# Altium PCB Wireless_thermometer_one_PCB.PcbDoc
Units mm, origin at the board's own origin, x right, y up, seen from the top; angles counter-clockwise.
Board outline 50 x 50 mm, 4 copper layers (Top Layer, Inner Layer 1 - GND, Inner Layer 2 - VDD, Bottom Layer), stack 1.554 mm thick; 74 components, 81 nets, 398 pads, 207 vias.
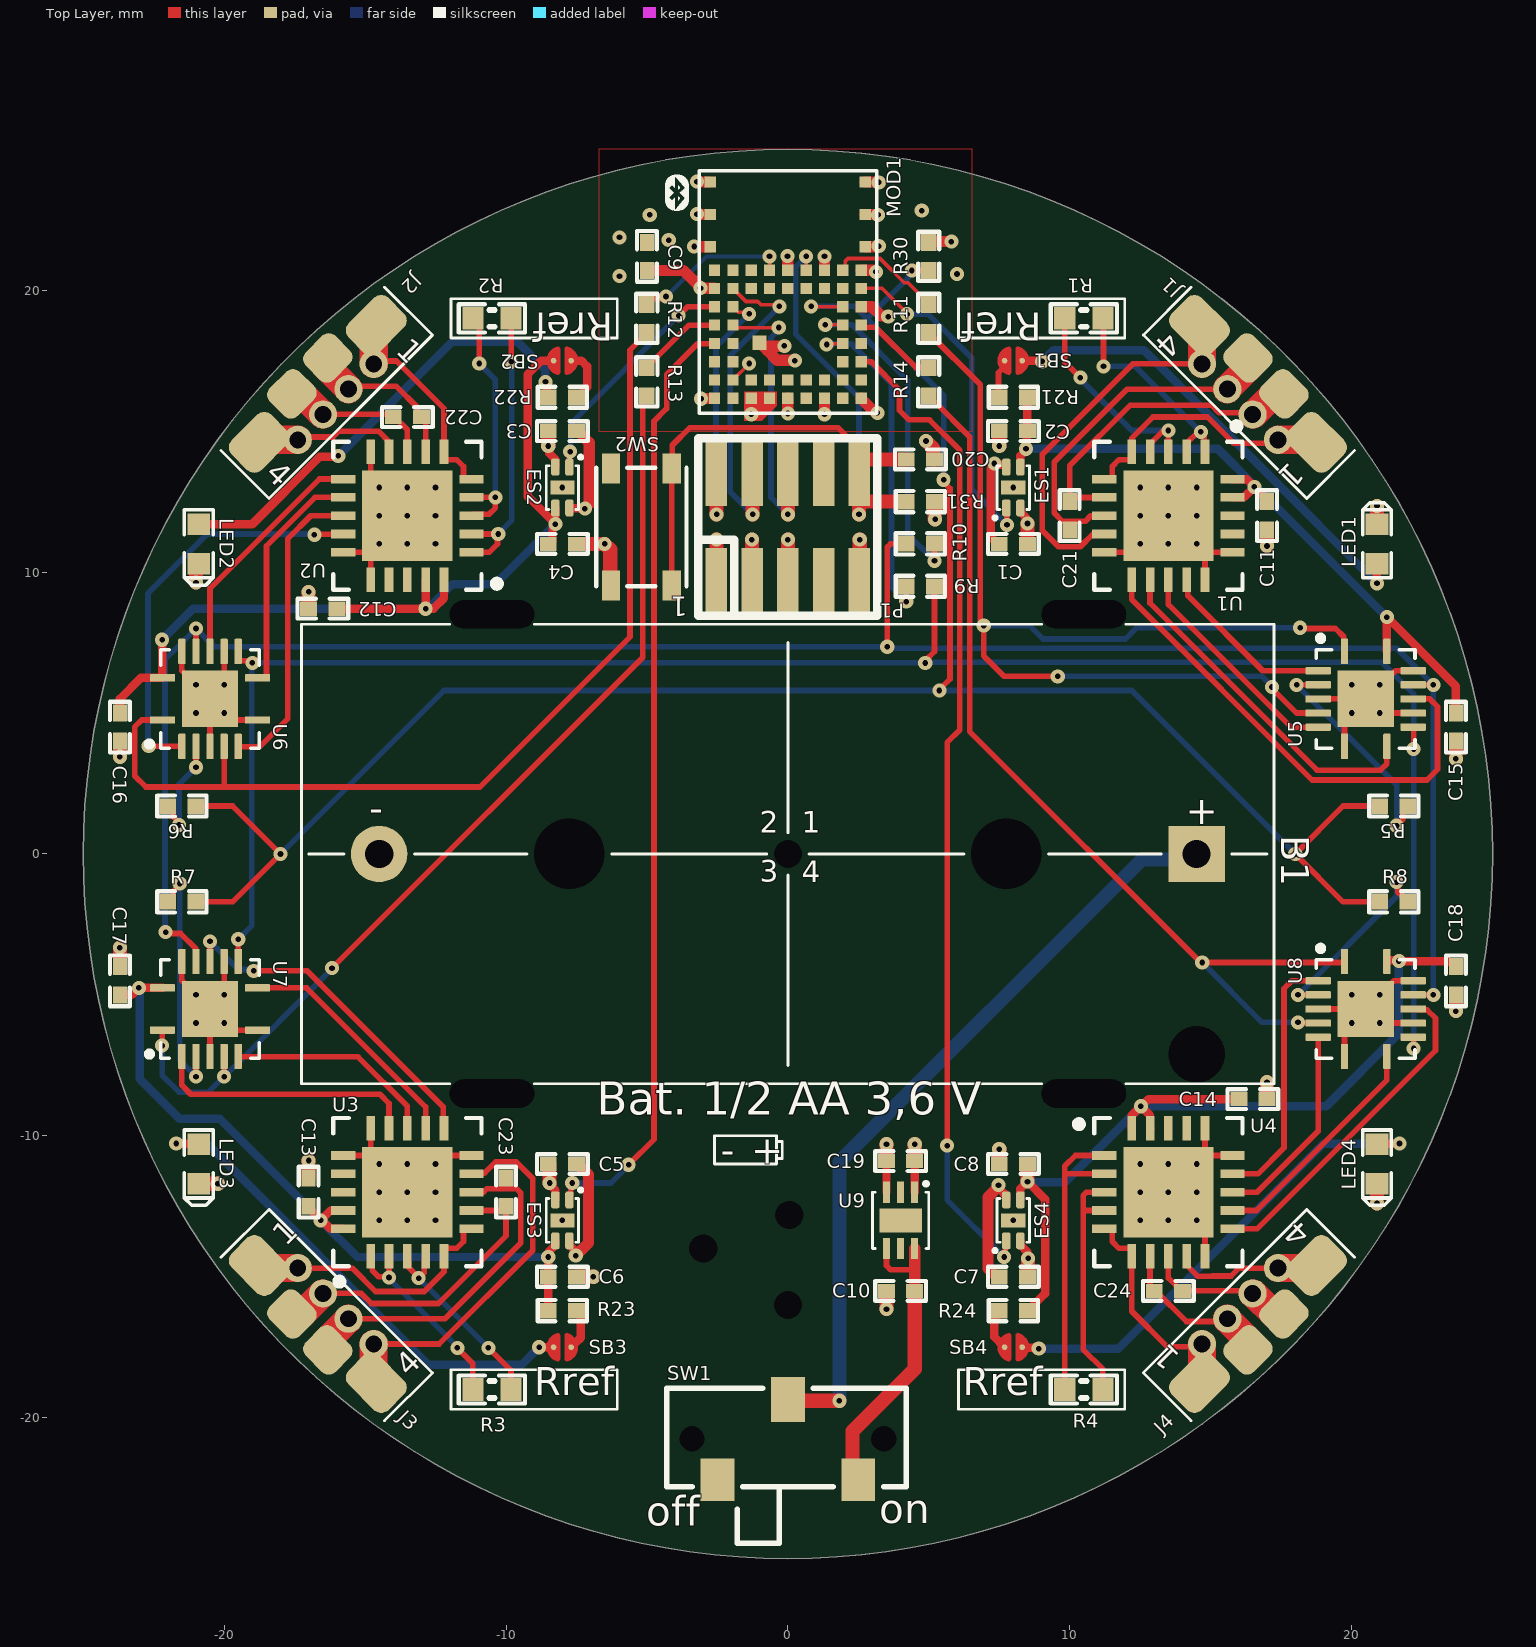
[diagram p0: Top Layer view]
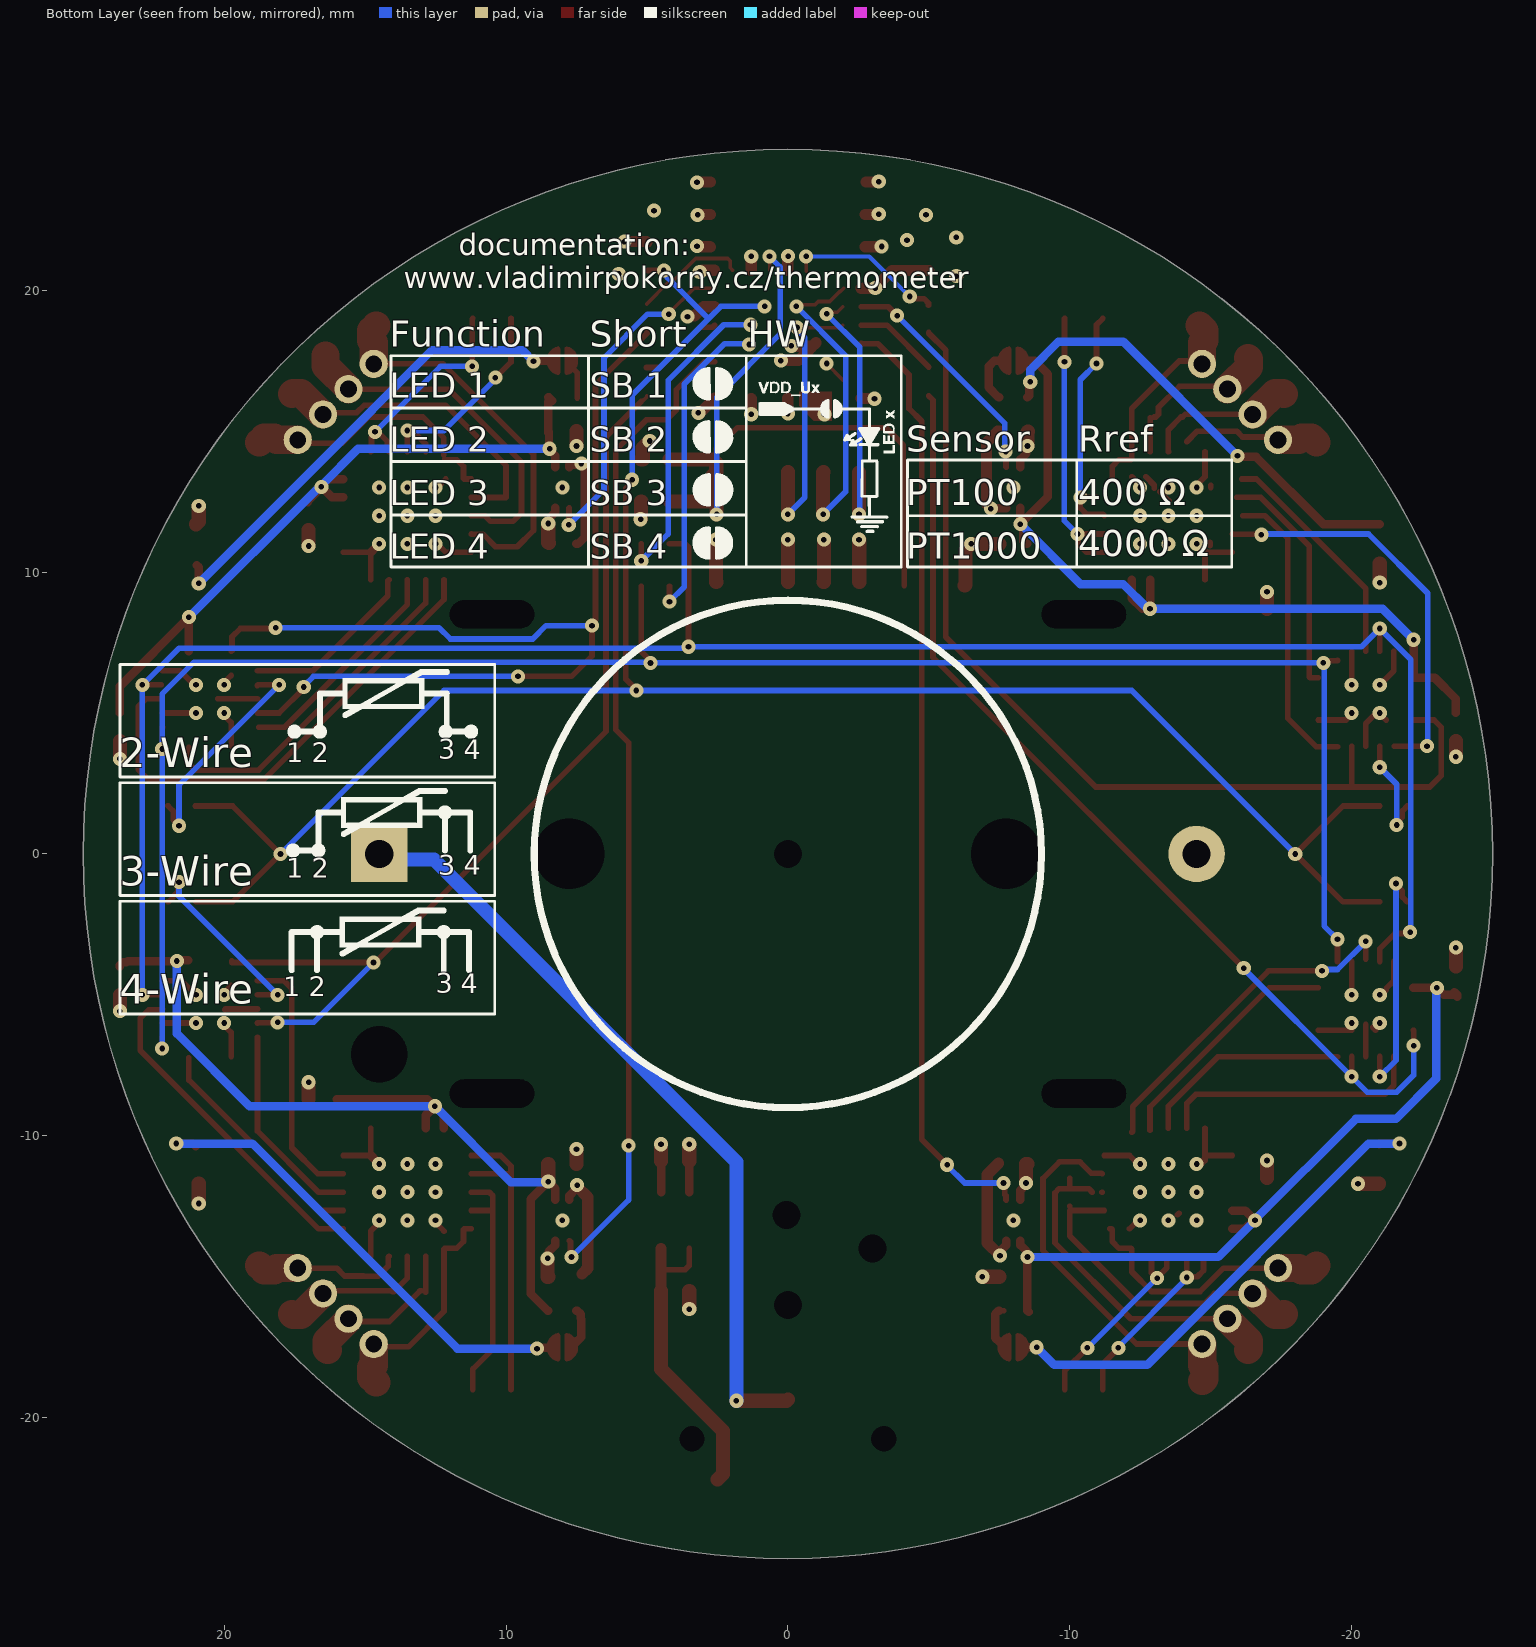
[diagram p1: Bottom Layer view, seen from below]
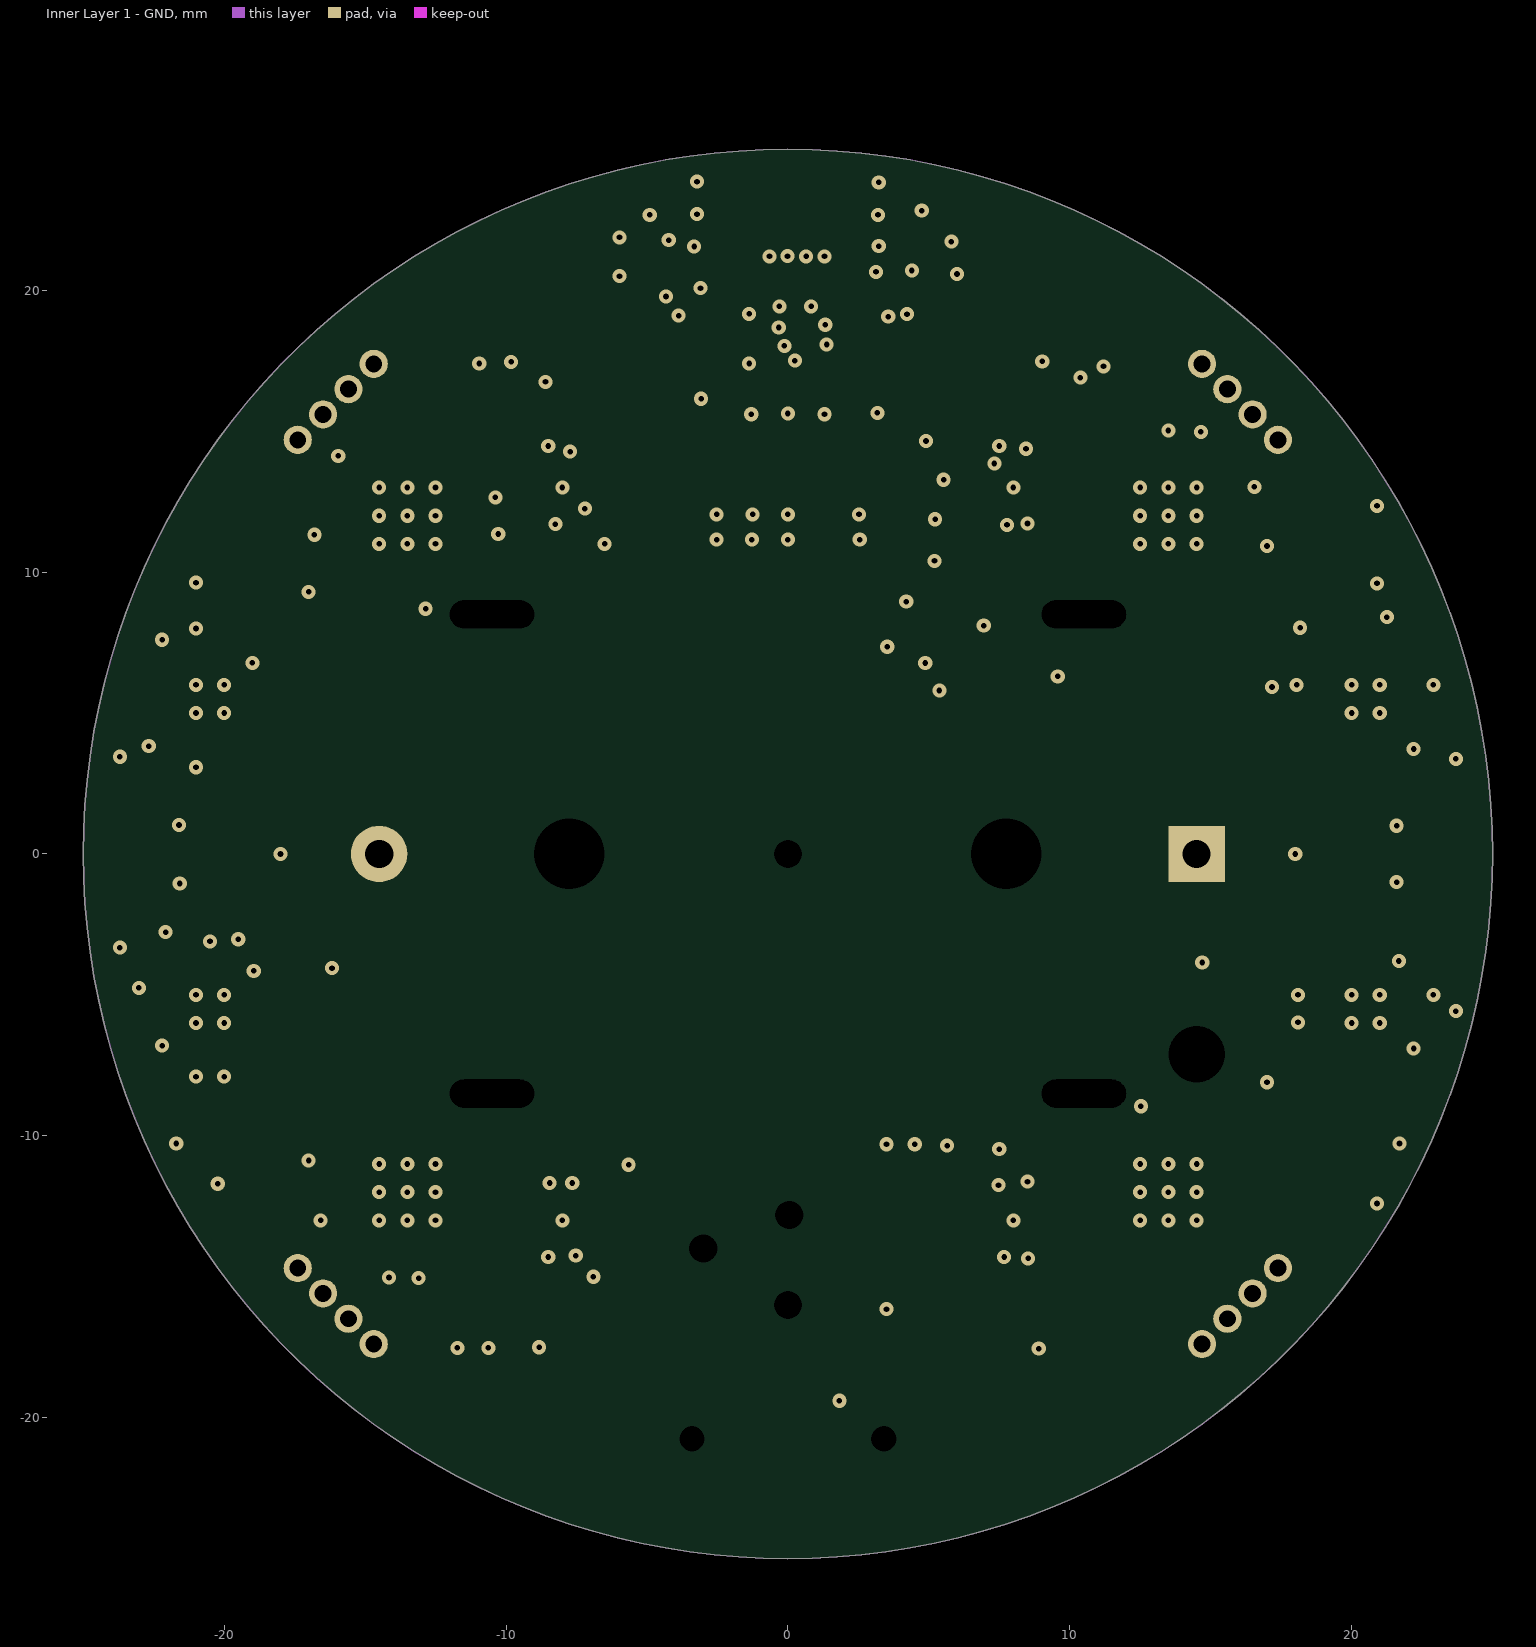
[diagram p2: Inner Layer 1 - GND]
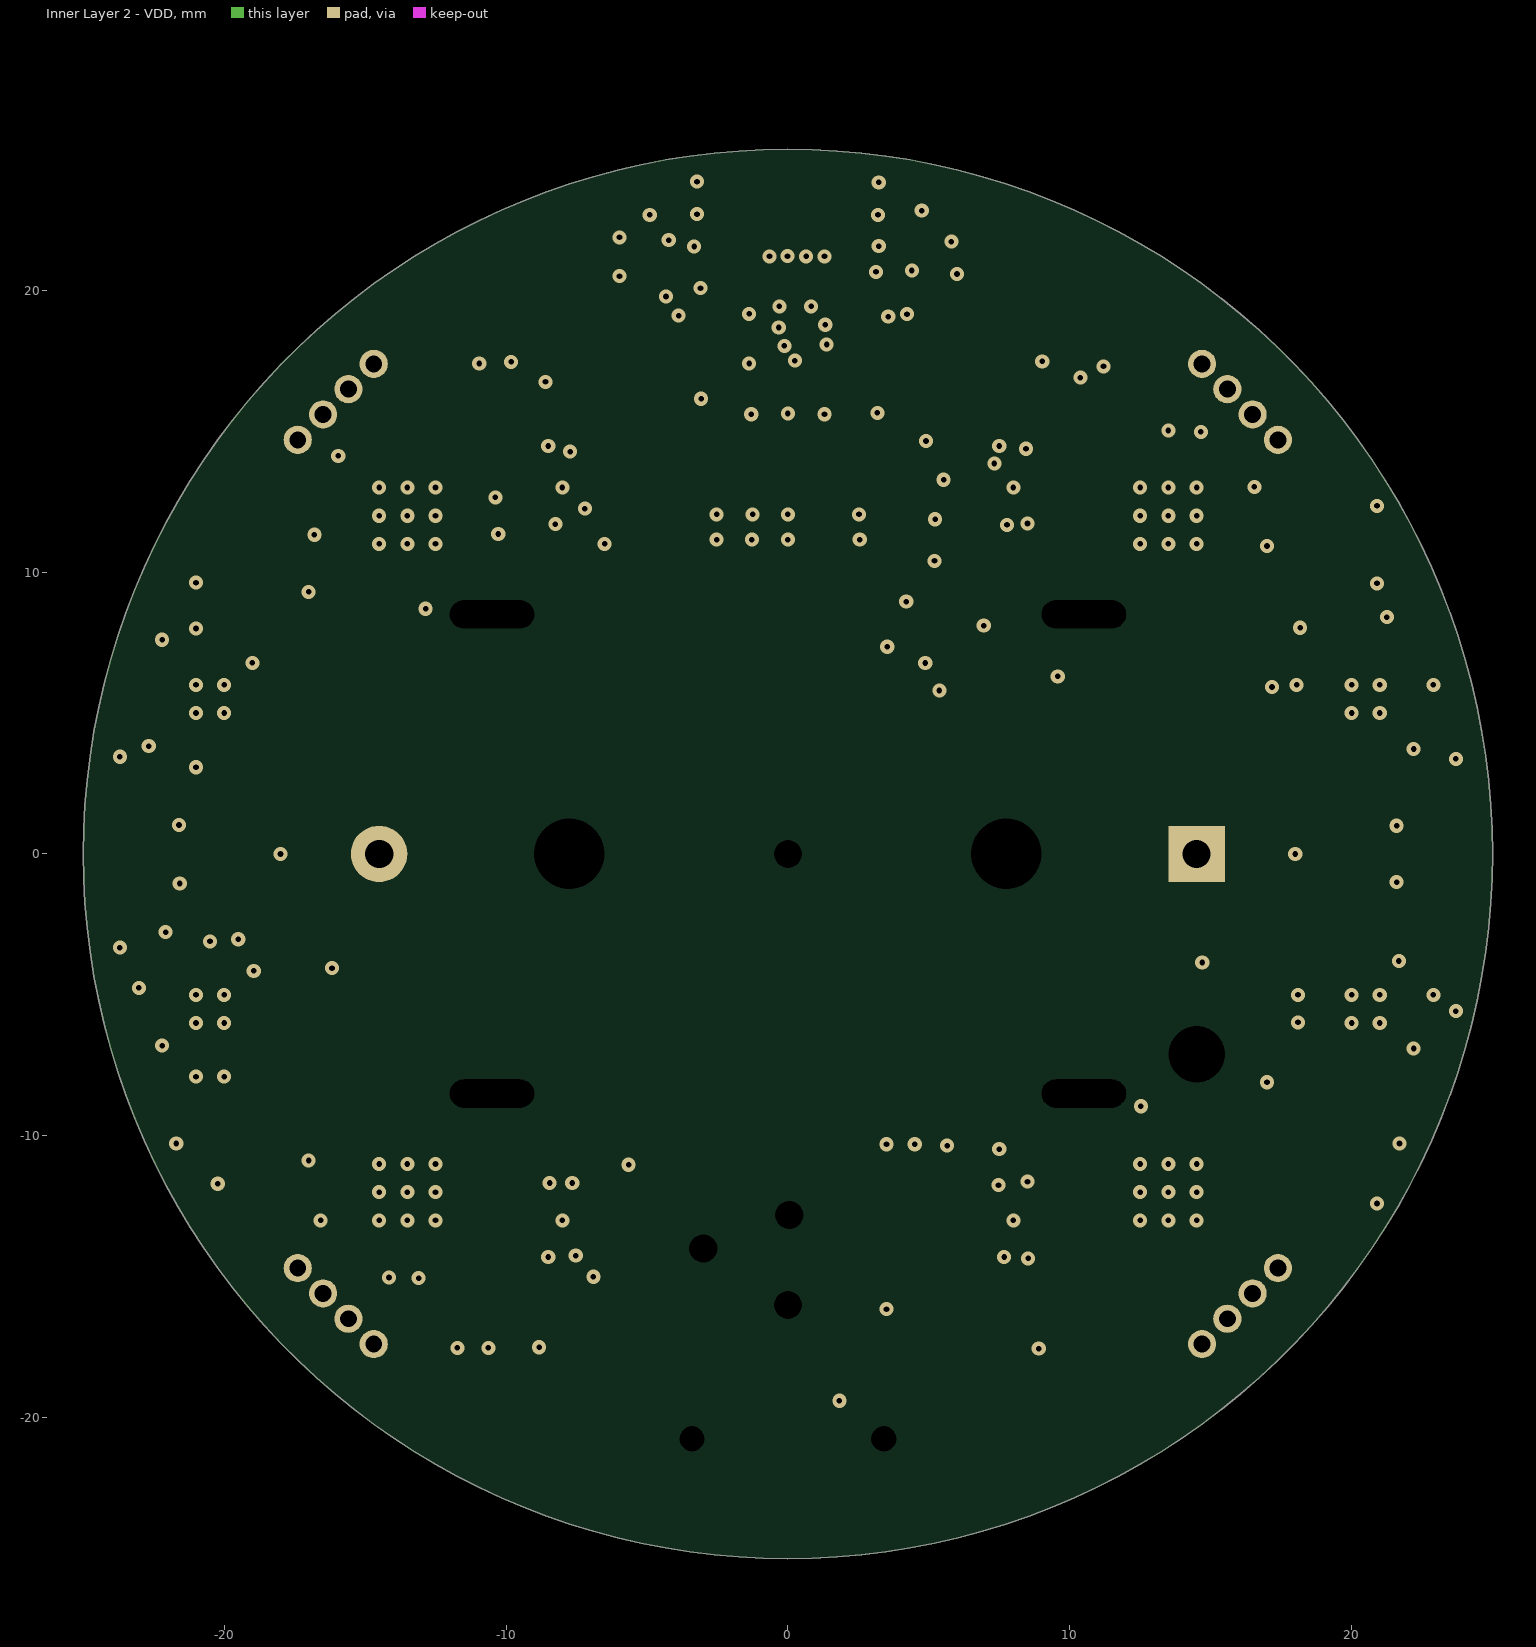
[diagram p3: Inner Layer 2 - VDD]
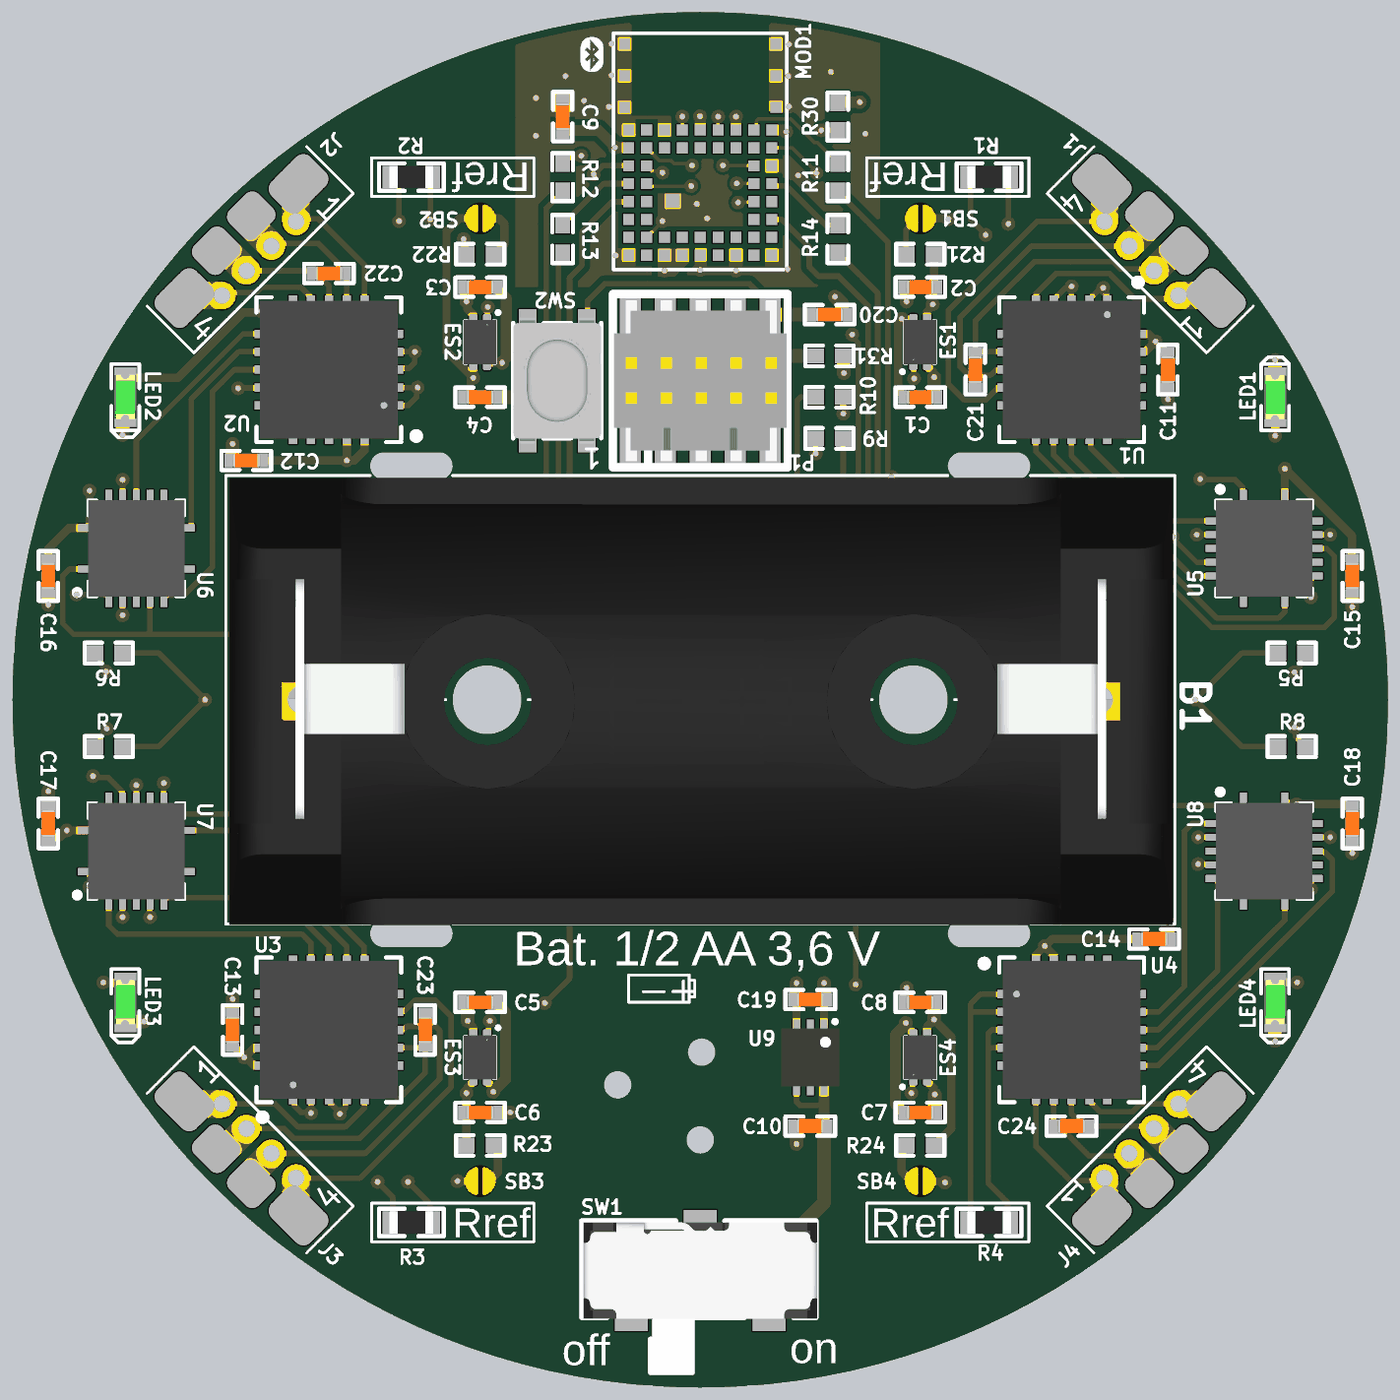
[diagram p4: 3D render of the assembled board from above, using the file's embedded part models]

## Layer stack, top to bottom
Top Solder Mask: solder mask 0.015, Solder Resist, Dk 3.5
Top Layer: signal copper 0.035
Dielectric 1: prepreg 0.37, PP-006, Dk 4.5
Inner Layer 1 - GND: signal copper 0.017
Dielectric 2: dielectric 0.71, FR-4, Dk 4.7
Inner Layer 2 - VDD: signal copper 0.017
Dielectric 3: prepreg 0.37, PP-006, Dk 4.5
Bottom Layer: signal copper 0.035
Bottom Solder Mask: solder mask 0.015, Solder Resist, Dk 3.5

## Board outline
-25,0 ccw(c0,0) 0,-25 ccw(c0,0) 25,0 ccw(c0,0) 0,25 ccw(c0,0)

## Design rules (kind name [scope] priority, off if disabled: settings)
BoardOutlineClearance [All] p1: gap=0.25 ignorepadtopadclearanceinfootprint=FALSE
Clearance Clearance_125 [All] p1 off: gap=0.125 ignorepadtopadclearanceinfootprint=FALSE
Clearance "Clearance: NPTH" [(ObjectKind = 'Pad') And (PadIsPlated = 'False')] p2: gap=0.25 ignorepadtopadclearanceinfootprint=FALSE
Clearance [All] p3: gap=0.1 ignorepadtopadclearanceinfootprint=FALSE except(0.2: Arc-Poly Track-Poly SMDPad-Poly Fill-Poly Poly-Poly Poly-Region Poly-Text Poly-Hole)
ComponentClearance [All] p1: gap=0.25 collisioncheckmode=3 verticalgap=0.25 showdistances=FALSE
HoleSize [All] p1: absolutevalues=TRUE maxlimit=5 minlimit=0.025 maxpercent=80.000 minpercent=20.000
HoleToHoleClearance [All] p1: gap=0.15 allowstackedmicrovias=TRUE
MinimumAnnularRing [All] p1: minimumring=0.125
MinimumSolderMaskSliver [All] p1: minsoldermaskwidth=0.07
PlaneClearance [All] p1: clearance=0.15
PlaneConnect [All] p1: planeconnectstyle=Relief reliefexpansion=0.15 reliefentries=4 reliefconductorwidth=0.15 reliefairgap=0.15
PolygonConnect [All] p1: thpad.connectstyle=Relief thpad.reliefconductorwidth=0.5 thpad.reliefentries=4 thpad.polygonreliefangle="90 Angle" thpad.airgapwidth=0.2 smdpad.connectstyle=Direct smdpad.reliefconductorwidth=0.15 smdpad.reliefentries=4 smdpad.polygonreliefangle="90 Angle" smdpad.airgapwidth=0.15 via.connectstyle=Direct via.reliefconductorwidth=0.15 via.reliefentries=4 via.polygonreliefangle="90 Angle" via.airgapwidth=0.15
RoutingVias "RoutingVias: PWR" [InNetClass('PWR')] p1: holewidth=0.3 width=0.6 viastyle="Through Hole" minholewidth=0.2 minwidth=0.45 maxholewidth=0.3 maxwidth=0.6
RoutingVias [All] p2: holewidth=0.2 width=0.5 viastyle="Through Hole" minholewidth=0.2 minwidth=0.45 maxholewidth=0.3 maxwidth=0.6
SilkToSilkClearance "SilkToSilkClearance: Exception Bottom" [(ObjectKind = 'Rectangle') And (AsMM(TrackWidth) = 0.1) OR (ObjectKind = 'Text') And (Layer = 'BottomOverlay') And (AsMM(TextWidth) = 0.1)] p1: silktosilkclearance=0
SilkToSilkClearance [All] p2: silktosilkclearance=0.05
SilkToSolderMaskClearance [IsPad] p1: minsilkscreentomaskgap=0 clearancetoexposedcopper=TRUE
SolderMaskExpansion "SolderMaskExpansion: Via" [IsVia] p1: expansion=0.1 istentingtop=TRUE soldermaskfromhole=TRUE
SolderMaskExpansion [All] p2: expansion=0.05 istentingtop=FALSE
UnRoutedNet [All] p1: checkbadconnections=TRUE
ViasUnderSMD "ViasUnderSMD: Exceptions RTD_CON" [(ObjectKind = 'Pad') And ((Name Like 'J*-4') OR (Name Like 'J*-1'))] p1: allowed=TRUE
ViasUnderSMD "ViasUnderSMD: Exceptions MAX31865" [HasFootprint('21-0140L_T2055-5_MXM-L')] p2: allowed=TRUE
ViasUnderSMD "ViasUnderSMD: Exceptions buffer" [HasFootprint('QFN50P350X350X100-15N')] p3: allowed=TRUE
ViasUnderSMD "ViasUnderSMD: Exceptions LDO" [HasFootprint('MIC94300YMT-TR')] p4: allowed=TRUE
ViasUnderSMD [All] p5: allowed=FALSE
Width "Width: PWR" [InNetClass('PWR')] p1: maxlimit=1 minlimit=0.125 preferedwidth=0.5
Width [All] p2: maxlimit=1 minlimit=0.125 preferedwidth=0.15
21 further rules are at their usual default settings.

## Classes and differential pairs
net class PWR: GND NetB1_1 NetC10_2 NetSW2_1 VDD

## Components (designator, comment, footprint, x,y, rotation, side; value= is the part's Value field where it differs from the comment)
B1 "Keystone 108" "KEYSTONE 108" 0,0 r180 top locked
C1 "1µF" CAPC1005X04L 8,11 r180 top
C2 "1µF" CAPC1005X04L 8,15 r0 top
C3 "1µF" CAPC1005X04L -8,15 r0 top
C4 "1µF" CAPC1005X04L -8,11 r180 top
C5 "1µF" CAPC1005X04L -8,-11 r0 top
C6 "1µF" CAPC1005X04L -8,-15 r180 top
C7 "1µF" CAPC1005X04L 8,-15 r180 top
C8 "1µF" CAPC1005X04L 8,-11 r0 top
C9 "1µF" CAPC1005X04L -5,21.2 r270 top
C10 "1µF" CAPC1005X04L 4,-15.5 r0 top
C11 "100nF" CAPC1005X04L 17,12 r90 top
C12 "100nF" CAPC1005X04L -16.5,8.7 r0 top
C13 "100nF" CAPC1005X04L -17,-12 r90 top
C14 "100nF" CAPC1005X04L 16.5,-8.7 r180 top
C15 "1µF" CAPC1005X04L 23.7,4.5 r90 top
C16 "1µF" CAPC1005X04L -23.7,4.5 r90 top
C17 "1µF" CAPC1005X04L -23.7,-4.5 r270 top
C18 "1µF" CAPC1005X04L 23.7,-4.5 r90 top
C19 "1µF" CAPC1005X04L 4,-10.9 r0 top
C20 "100nF" CAPC1005X04L 4.7,14 r180 top
C21 "100nF" CAPC1005X04L 10,12 r90 top
C22 "100nF" CAPC1005X04L -13.5,15.5 r0 top
C23 "100nF" CAPC1005X04L -10,-12 r270 top
C24 "100nF" CAPC1005X04L 13.5,-15.5 r180 top
ES1 "MIC94300YMT-TR" MIC94300YMT-TR 8,13 r0 top
ES2 "MIC94300YMT-TR" MIC94300YMT-TR -8,13 r180 top
ES3 "MIC94300YMT-TR" MIC94300YMT-TR -8,-13 r180 top
ES4 "MIC94300YMT-TR" MIC94300YMT-TR 8,-13 r0 top
J1 "Connector RTD" CON-RTD 16.5,16.5 r225 top
J2 "Connector RTD" CON-RTD -16.5,16.5 r315 top
J3 "Connector RTD" CON-RTD -16.5,-16.5 r45 top
J4 "Connector RTD" CON-RTD 16.5,-16.5 r135 top
LED1 "L0603G" LED_0603_G 20.9,11 r270 top
LED2 "L0603G" LED_0603_G -20.9,11 r90 top
LED3 "L0603G" LED_0603_G -20.9,-11 r90 top
LED4 "L0603G" LED_0603_G 20.9,-11 r90 top
MOD1 "Laird, BL653u" "LAIRD, BL653U" 0,20 r90 top locked
P1 "Pin Header 2x5, 1.27mm" HDR_2X5-SMD-1.27MM-K 0,11.6 r0 top
R1 "430R" RESR1608X06 10.5,19 r0 top
R2 "430R" RESR1608X06 -10.5,19 r0 top
R3 "430R" RESR1608X06 -10.5,-19 r180 top
R4 "430R" RESR1608X06 10.5,-19 r180 top
R5 "47R" RESC1005X04L 21.5,1.7 r0 top value=430R
R6 "47R" RESC1005X04L -21.5,1.7 r180 top value=430R
R7 "47R" RESC1005X04L -21.5,-1.7 r180 top value=430R
R8 "47R" RESC1005X04L 21.5,-1.7 r0 top value=430R
R9 "47R" RESC1005X04L 4.7,9.5 r180 top value=430R
R10 "47R" RESC1005X04L 4.7,11 r0 top value=430R
R11 "100R" RESC1005X04L 5,19 r270 top
R12 "100R" RESC1005X04L -5,19 r270 top
R13 "100R" RESC1005X04L -5,16.75 r270 top
R14 "100R" RESC1005X04L 5,16.75 r270 top
R21 "330R" RESC1005X04L 8,16.2 r180 top
R22 "330R" RESC1005X04L -8,16.2 r180 top
R23 "330R" RESC1005X04L -8,-16.2 r0 top
R24 "330R" RESC1005X04L 8,-16.2 r180 top
R30 "10K" RESC1005X04L 5,21.2 r90 top value=10k
R31 "10k" RESC1005X04L 4.7,12.5 r0 top
SB1 "Solderbridge" SOLDERBRIDGE 8,17.5 r180 top
SB2 "Solderbridge" SOLDERBRIDGE -8,17.5 r180 top
SB3 "Solderbridge" SOLDERBRIDGE -8,-17.5 r0 top
SB4 "Solderbridge" SOLDERBRIDGE 8,-17.5 r180 top
SW1 "CL-SB-12A-12T" CL-SB-12A-12T 0,-20.75 r0 top
SW2 "PB SW" C&K_PTS810 -5.2,11.6 r90 top
U1 "MAX31865ATP" 21-0140L_T2055-5_MXM-L 13.5,12 r270 top
U2 "MAX31865ATP" 21-0140L_T2055-5_MXM-L -13.5,12 r180 top
U3 "MAX31865ATP" 21-0140L_T2055-5_MXM-L -13.5,-12 r90 top
U4 "MAX31865ATP" 21-0140L_T2055-5_MXM-L 13.5,-12 r0 top
U5 "SN74LVC125ARGYR" QFN50P350X350X100-15N 20.5,5.5 r270 top
U6 "SN74LVC125ARGYR" QFN50P350X350X100-15N -20.5,5.5 r0 top
U7 "SN74LVC125ARGYR" QFN50P350X350X100-15N -20.5,-5.5 r0 top
U8 "SN74LVC125ARGYR" QFN50P350X350X100-15N 20.5,-5.5 r270 top
U9 "STLQ020PU33R" STLQ020PU33R 4,-13 r180 top

## Footprints (in the part's own frame and the unit in brackets; to place one, negate y for a bottom-side part, rotate by r counter-clockwise, add the part's x,y. Pads: shape width x height; smd on the part's side, far side on the other; paste and mask are expansions set on the pad)
21-0140L_T2055-5_MXM-L [mm]
  rect 0.86x0.306 smd: 1(-2.272,1.3)
  rect 0.86x0.306 smd paste+0: 2(-2.272,0.65) 3(-2.272,0) 4(-2.272,-0.65) 5(-2.272,-1.3) 11(2.272,-1.3) 12(2.272,-0.65) 13(2.272,0) 14(2.272,0.65) 15(2.272,1.3)
  rect 0.306x0.86 smd paste+0: 6(-1.3,-2.272) 7(-0.65,-2.272) 8(0,-2.272) 9(0.65,-2.272) 10(1.3,-2.272) 16(1.3,2.272) 17(0.65,2.272) 18(0,2.272) 19(-0.65,2.272) 20(-1.3,2.272)
  rect 3.2x3.2 smd paste-1.664: 21(0,0)
  silkscreen extent -3.3,-2.63 2.63,2.63, body extent -2.5,-2.5 2.5,2.5, height 0.81
C&K_PTS810 [mm]
  rect 1.05x0.65 smd: 0(2.075,1.075) 1(-2.075,1.075) 2(-2.075,-1.075) 2(2.075,-1.075)
  silkscreen extent -2.1,-1.6 2.1,1.6, body extent -2.29,-1.6 2.29,1.6, height 2.5
CAPC1005X04L [mm]
  rect 0.6x0.5 smd: 1(-0.5,0) 2(0.5,0)
  silkscreen extent -0.9,-0.35 0.9,0.35, body extent -0.51,-0.25 0.51,0.25, height 0.5
CL-SB-12A-12T [mm]
  round 0 hole 0.9 unplated: 0(-3.4,0) 0(3.4,0)
  rect 1.2x1.5 smd: 1(-2.5,-1.45) 3(2.5,-1.45)
  rect 1.2x1.6 smd: 2(0,1.4)
  silkscreen extent -4.3,-3.7 4.2,1.8, body extent -4.25,-3.75 4.25,1.75, height 3.51
CON-RTD [mm]
  rrect50% 1.5x2 smd: 1(-0.25,2.935) 4(-0.25,-2.935)
  round 1 hole 0.6: 1(0.65,1.905) 2(0.65,0.635) 3(0.65,-0.635) 4(0.65,-1.905)
  rrect50% 1.4x1.5 smd: 2(-0.65,0.9) 3(-0.65,-0.9)
  silkscreen extent -1,-4.1 1.4,4.1
HDR_2X5-SMD-1.27MM-K [mm]
  rect 0.76x2.4 smd: 1(-2.54,-1.95) 2(-2.54,1.95) 3(-1.27,-1.95) 4(-1.27,1.95) 5(0,-1.95) 6(0,1.95) 7(1.27,-1.95) 8(1.27,1.95) 9(2.54,-1.95) 10(2.54,1.95)
  silkscreen extent -3.17,-3.15 3.17,3.15, body extent -3.14,-2.92 3.14,2.92, height 6.11
"KEYSTONE 108" [mm]
  rect 2x2 hole 1: 1(-14.5,0)
  round 2 hole 1: 2(14.5,0)
  round 0 hole 2 unplated: 3(-14.5,7.1)
  rrect0% 0x0 hole 1 slot 3 at 0 deg unplated: 3(-10.5,8.5) 3(10.5,8.5) 3(10.5,-8.5)
  rrect50% 0x0 hole 1 slot 3 at 0 deg unplated: 3(-10.5,-8.5)
  round 0 hole 2.5 unplated: 3(-7.75,0) 3(7.75,0)
  silkscreen extent -17.25,-8.15 17.25,8.15, body extent -17.17,-8.07 17.12,8.19, height 15.25
"LAIRD, BL653U" [mm]
  rect 0.4x0.4 smd mask+0.051: 1(0.712,2.6) 2(0.712,1.95) 3(0.712,1.3) 4(0.712,0.65) 5(0.712,0) 6(0.712,-0.65) 7(0.712,-1.3) 8(0.712,-1.95) 9(0.712,-2.6) 10(0.062,-2.6) 11(-0.587,-2.6) 12(-1.237,-2.6) 13(-1.887,-2.6) 14(-2.537,-2.6) 15(-3.187,-2.6) 16(-3.837,-2.6) 17(-3.837,-1.95) 18(-3.837,-1.3) 19(-3.837,-0.65) 20(-3.837,0) 21(-3.837,0.65) 22(-3.837,1.3) 23(-3.837,1.95) 24(-3.837,2.6) 25(-3.187,2.6) 26(-2.537,2.6) 27(-1.887,2.6) 28(-1.237,2.6) 29(-0.588,2.6) 30(0.063,2.6) 31(0.062,1.95) 32(0.062,1.3) 33(0.062,0.65) 34(0.062,0) 35(0.062,-0.65) 36(0.062,-1.3) 37(0.063,-1.95) 38(-0.588,-1.95) 39(-1.237,-1.95) 40(-1.887,-1.95) 41(-2.537,-1.95) 42(-3.187,-1.95) 43(-3.187,-1.3) 44(-3.187,-0.65) 45(-3.187,0) 46(-3.187,0.65) 47(-3.187,1.3) 48(-3.187,1.95) 49(-2.537,1.95) 50(-1.887,1.95) 51(-1.237,1.95) 52(-0.587,1.95) G2(3.837,-2.75) G3(2.687,-2.75) G4(1.537,-2.75) G5(1.538,2.75) G6(2.687,2.75) G7(3.837,2.75)
  rect 0.5x0.5 smd mask+0.051: G1(-1.862,1)
  Top Layer pour cut-out: 1.225,2.5 8.125,2.5 8.125,-2.5 1.225,-2.5
  Inner Layer 1 - GND pour cut-out: 1.225,2.5 8.125,2.5 8.125,-2.5 1.225,-2.5
  Inner Layer 2 - VDD pour cut-out: 1.225,2.5 8.125,2.5 8.125,-2.5 1.225,-2.5
  Bottom Layer pour cut-out: 1.225,2.5 8.125,2.5 8.125,-2.5 1.225,-2.5
  silkscreen extent -4.36,-3.15 4.24,3.15, body extent -4.35,-3.15 4.25,3.15, height 1.61
LED_0603_G [mil]
  rect 30x32 smd: 1(-27.5,0) 2(27.5,0)
  silkscreen extent -58,-20 48,20, body extent -32,-16 32,16, height 24
MIC94300YMT-TR [mm]
  rrect50% 0.3x0.6 smd mask+0.05: 1(-0.25,-0.725) 2(0.25,-0.725) 3(0.25,0.725) 4(-0.25,0.725)
  rect 0.86x0.5 smd mask+0.05: 2(0,0)
  silkscreen extent -0.67,-1.1 0.58,0.77, body extent -0.6,-0.8 0.6,0.8, height 0.61
QFN50P350X350X100-15N [mm]
  rrect25% 0.9x0.26 smd: 1(-1.685,-0.75) 7(1.685,-0.75) 8(1.685,0.75) 14(-1.685,0.75)
  rrect25% 0.26x0.9 smd: 2(-1,-1.685) 3(-0.5,-1.685) 4(0,-1.685) 5(0.5,-1.685) 6(1,-1.685) 9(1,1.685) 10(0.5,1.685) 11(0,1.685) 12(-0.5,1.685) 13(-1,1.685)
  rect 2x2 smd paste-2: 15(0,0)
  silkscreen extent -2.25,-1.75 1.75,1.75, body extent -1.75,-1.75 1.75,1.75, height 1.01
RESC1005X04L [mm]
  rect 0.6x0.55 smd mask+0.05: 1(-0.5,0) 2(0.5,0)
  silkscreen extent -0.87,-0.38 0.88,0.38, body extent -0.5,-0.25 0.5,0.25, height 0.36
RESR1608X06 [mm]
  rect 0.75x0.8 smd: 1(-0.675,0) 2(0.675,0)
  silkscreen extent -1.17,-0.5 1.17,0.5, body extent -0.8,-0.4 0.8,0.4, height 0.46